# KiCad board q2v2.kicad_pcb (continued)
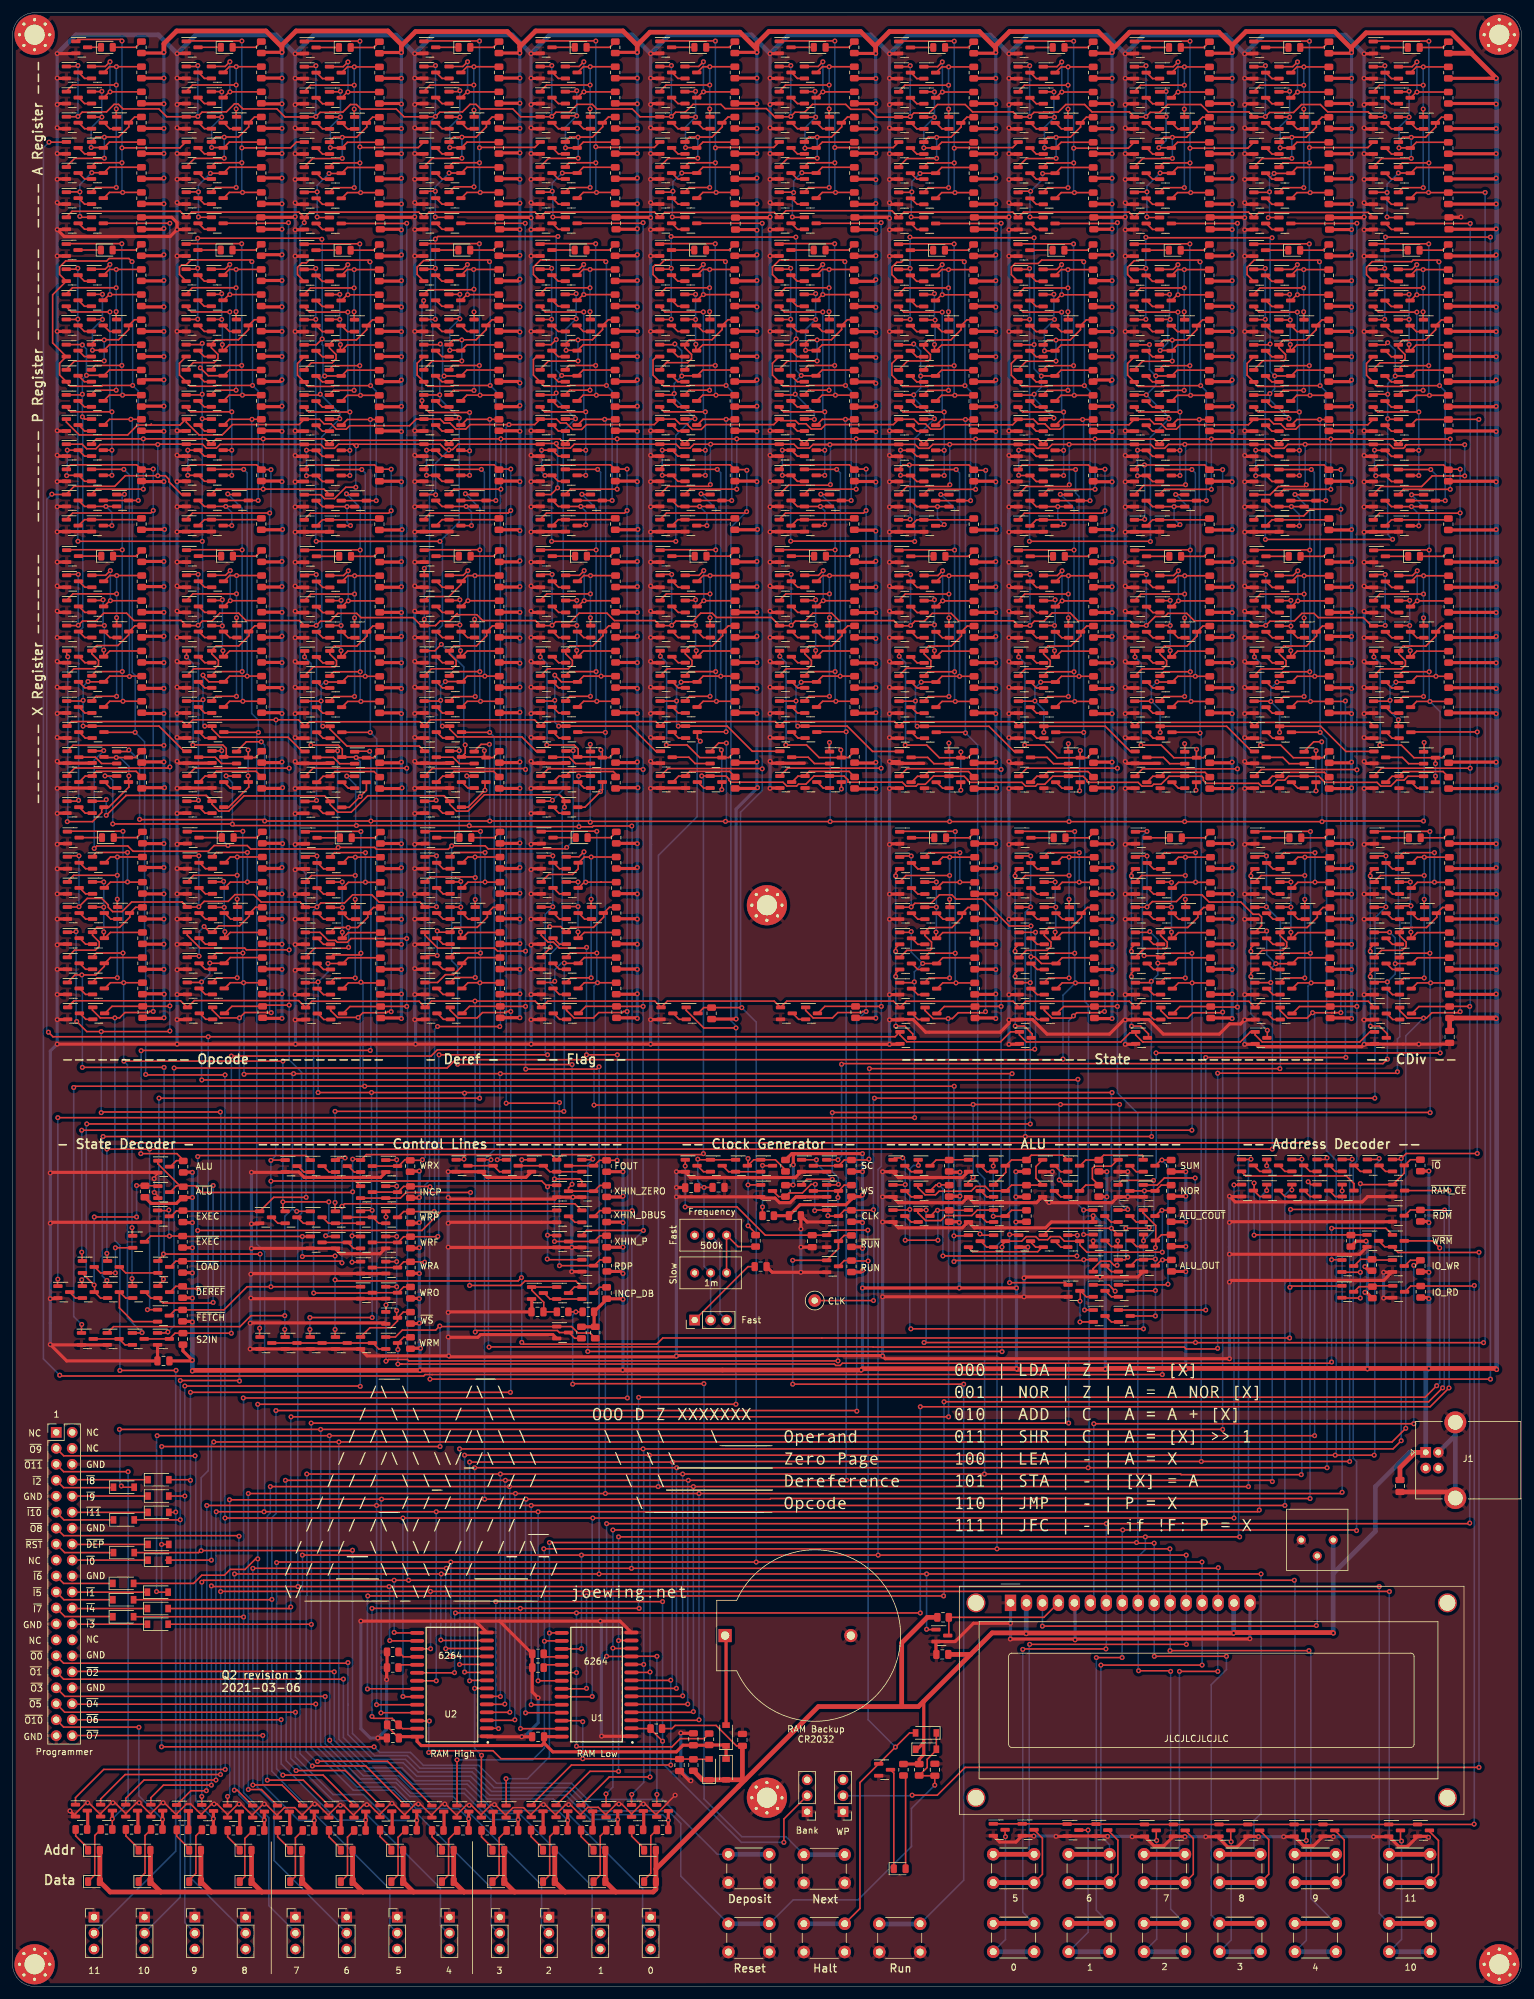
[diagram p0: board, top side]
## Routing (per net, layer and track width the routed paths; a pad name or vN(x,y) marks a point on that pad's centre or on a via; arc(x,y) is an arc through that point)
GND: length 4595.9
  Top w0.25: 22,27.37 v1(20.15,29.23) 19.72,29.23 18,27.5 ; Q880.2 30.09,27.45 31.66,29.03 32.53,29.03 34.19,27.36 ; Q875.2 18,27.51 16.29,29.23 v1(15.95,29.23) 15.72,29.23 14.01,27.52 Q872.2 ; 90.41,27.22 88.71,28.93 v1(88.45,28.93) 87.97,28.93 86.45,27.4 Q882.2 ; 34.19,27.36 Q883.2 ; 34.19,27.36 35.86,29.03 v1(36.05,29.03) 36.34,29.03 38.19,27.17 ; Q870.2 62.44,27.4 64.06,29.03 v1(64.55,29.03) 64.85,29.03 66.7,27.17 ; 46.15,27.35 46.15,26.88 ; 30.09,27.27 28.34,29.03 27.66,29.03 26.09,27.45 Q879.2 ; 54.31,27.17 52.66,28.83 v1(52.15,28.83) 51.78,28.83 50.31,27.35 Q891.2 ; 86.45,27.22 84.75,28.93 v1(84.45,28.93) 84.03,28.93 82.51,27.4 Q881.2 ; 38.19,27.35 39.86,29.03 v1(40.05,29.03) 40.27,29.03 42.14,27.15 ; Q90.2 23.11,125.76 v1(22.55,126.33) ; Q889.2 98.46,27.46 96.9,29.03 v1(96.45,29.03) 96.03,29.03 94.41,27.4 Q886.2 ; 58.44,27.22 56.74,28.93 v1(56.35,28.93) 55.88,28.93 54.31,27.35 Q892.2 ; Q884.2 38.19,27.36 ; 50.31,27.17 48.46,29.03 v1(48.05,29.03) 47.81,29.03 46.14,27.35 Q888.2 ; 70.7,27.17 68.85,29.03 v1(68.75,29.03) 68.37,29.03 66.7,27.35 Q873.2 ; Q876.2 22,27.5 23.72,29.23 v1(23.95,29.23) 24.14,29.23 26.09,27.27 ; 14.01,27.33 12.11,29.23 v1(11.95,29.23) 11.73,29.23 10.01,27.51 Q871.2 ; v1(22.53,128.53) 22.53,128.74 23.26,129.48 ; 82.51,27.22 81.28,28.45 79.6,28.45 78.51,27.36 Q878.2 ; 42.14,27.36 Q887.2 ; 78.51,27.18 76.76,28.93 v1(76.65,28.93) 76.14,28.93 74.57,27.35 Q877.2 ; Q890.2 102.46,27.45 104.23,29.23 104.23,29.26 v1(105.4,30.43) ; 46.14,27.17 44.87,28.45 43.23,28.45 42.06,27.27 42.06,26.95 ; Q874.2 70.7,27.35 72.17,28.83 v1(72.65,28.83) 72.98,28.83 74.57,27.23 ; 94.41,27.26 93.18,28.5 91.5,28.5 90.41,27.4 Q885.2 ; 102.46,27.21 100.65,29.03 100.03,29.03 98.46,27.45 ; 62.44,27.22 60.54,29.13 v1(60.35,29.13) 60.16,29.13 58.44,27.4 Q869.2
  Top w0.5: v1(26.17,307.53) 27.52,307.53 ; v1(26.17,279.53) 27.52,279.53 ; v1(26.17,279.53) 25.07,278.43 8.2,278.43 v1(7.1,279.53) 8.45,279.53 ; v1(26.17,279.53) 26.17,280.63 25.33,281.48 C6.2 ; 27.57,283.58 26.42,283.58 v1(26.17,283.83) ; v1(26.17,287.53) 26.22,287.58 27.57,287.58 ; v1(26.17,291.63) 26.22,291.58 27.57,291.58 ; v1(26.17,295.73) 26.32,295.58 27.57,295.58 ; 27.57,299.58 26.32,299.58 v1(26.17,299.43) ; v1(26.17,303.63) 26.22,303.58 27.57,303.58 ; v1(26.17,153.83) 27.72,153.83 ; 31.67,190.68 26.22,190.68 v1(26.17,190.63) ; 27.67,186.68 26.22,186.68 v1(26.17,186.63) ; v1(26.17,194.93) 26.47,194.63 31.62,194.63 ; v1(26.17,198.73) 26.27,198.63 27.67,198.63 ; v1(26.17,202.53) 26.26,202.62 27.62,202.62 ; v1(26.17,206.73) 26.28,206.62 27.62,206.62 ; 27.62,210.62 26.38,210.62 v1(26.17,210.83) ; 27.62,214.62 26.18,214.62 v1(26.17,214.63) ; v1(26.17,218.83) 26.38,218.62 27.62,218.62 ; v1(26.17,222.83) 26.38,222.62 27.62,222.62 ; v1(26.17,226.63) 26.18,226.62 27.62,226.62 ; v1(26.17,231.43) 26.22,231.48 31.57,231.48 ; v1(26.17,235.43) 26.22,235.48 27.57,235.48 ; 27.57,239.48 26.22,239.48 v1(26.17,239.43) ; v1(26.17,243.63) 26.32,243.48 27.57,243.48 ; 27.57,247.48 26.22,247.48 v1(26.17,247.53) ; v1(26.17,263.33) 26.17,263.32 27.55,263.32 ; v1(26.17,275.33) 26.17,275.32 27.55,275.32 ; v1(26.17,181.73) 26.28,181.84 27.73,181.84 ; v1(26.17,173.83) 26.18,173.84 27.73,173.84 ; v1(26.17,169.83) 26.18,169.84 27.73,169.84 ; v1(26.17,157.83) 26.18,157.84 27.73,157.84 ; v1(82.47,307.52) 83.82,307.52 ; v1(82.47,279.52) 83.82,279.52 ; 83.88,283.57 82.72,283.57 v1(82.47,283.82) ; v1(82.47,287.52) 82.53,287.57 83.88,287.57 ; v1(82.47,291.62) 82.53,291.57 83.88,291.57 ; v1(82.47,295.72) 82.62,295.57 83.88,295.57 ; 83.88,299.57 82.62,299.57 v1(82.47,299.42) ; v1(82.47,303.62) 82.53,303.57 83.88,303.57 ; v1(82.47,153.82) 84.03,153.82 ; 87.98,190.67 82.53,190.67 v1(82.47,190.62) ; 83.98,186.67 82.53,186.67 v1(82.47,186.62) ; v1(82.47,194.92) 82.78,194.62 87.93,194.62 ; v1(82.47,198.72) 82.57,198.62 83.97,198.62 ; v1(82.47,202.52) 82.56,202.61 83.93,202.61 ; v1(82.47,206.72) 82.59,206.61 83.93,206.61 ; 83.93,210.61 82.69,210.61 v1(82.47,210.82) ; 83.93,214.61 82.49,214.61 v1(82.47,214.62) ; v1(82.47,218.82) 82.69,218.61 83.93,218.61 ; v1(82.47,222.82) 82.69,222.61 83.93,222.61 ; v1(82.47,226.62) 82.49,226.61 83.93,226.61 ; v1(82.47,231.42) 82.53,231.47 87.88,231.47 ; v1(82.47,235.42) 82.53,235.47 83.88,235.47 ; 83.88,239.47 82.53,239.47 v1(82.47,239.42) ; v1(82.47,243.62) 82.62,243.47 83.88,243.47 ; 83.88,247.47 82.53,247.47 v1(82.47,247.52) ; v1(82.47,263.32) 82.48,263.32 83.85,263.32 ; v1(82.47,275.32) 82.48,275.32 83.85,275.32 ; v1(82.47,181.72) 82.59,181.83 84.04,181.83 ; v1(82.47,173.82) 82.49,173.83 84.04,173.83 ; v1(82.47,169.82) 82.49,169.83 84.04,169.83 ; v1(82.47,157.82) 82.49,157.83 84.04,157.83 ; v1(63.97,307.52) 65.33,307.52 ; v1(63.97,279.52) 65.33,279.52 ; 65.38,283.57 64.22,283.57 v1(63.97,283.82) ; v1(63.97,287.52) 64.03,287.57 65.38,287.57 ; v1(63.97,291.62) 64.03,291.57 65.38,291.57 ; v1(63.97,295.72) 64.12,295.57 65.38,295.57 ; 65.38,299.57 64.12,299.57 v1(63.97,299.42) ; v1(63.97,303.62) 64.03,303.57 65.38,303.57 ; v1(63.97,153.82) 65.53,153.82 ; 69.48,190.67 64.03,190.67 v1(63.97,190.62) ; 65.48,186.67 64.03,186.67 v1(63.97,186.62) ; v1(63.97,194.92) 64.28,194.62 69.42,194.62 ; v1(63.97,198.72) 64.08,198.62 65.47,198.62 ; v1(63.97,202.52) 64.06,202.61 65.42,202.61 ; v1(63.97,206.72) 64.08,206.61 65.42,206.61 ; 65.42,210.61 64.19,210.61 v1(63.97,210.82) ; 65.42,214.61 63.98,214.61 v1(63.97,214.62) ; v1(63.97,218.82) 64.19,218.61 65.42,218.61 ; v1(63.97,222.82) 64.19,222.61 65.42,222.61 ; v1(63.97,226.62) 63.98,226.61 65.42,226.61 ; v1(63.97,231.42) 64.03,231.47 69.38,231.47 ; v1(63.97,235.42) 64.03,235.47 65.38,235.47 ; 65.38,239.47 64.03,239.47 v1(63.97,239.42) ; v1(63.97,243.62) 64.12,243.47 65.38,243.47 ; 65.38,247.47 64.03,247.47 v1(63.97,247.52) ; v1(63.97,263.32) 63.98,263.32 65.36,263.32 ; v1(63.97,275.32) 63.98,275.32 65.36,275.32 ; v1(63.97,181.72) 64.08,181.83 65.54,181.83 ; v1(63.97,173.82) 63.98,173.83 65.54,173.83 ; v1(63.97,169.82) 63.98,169.83 65.54,169.83 ; v1(63.97,157.82) 63.98,157.83 65.54,157.83 ; v1(44.95,307.5) 46.3,307.5 ; v1(44.95,279.5) 46.3,279.5 ; 46.35,283.55 45.2,283.55 v1(44.95,283.8) ; v1(44.95,287.5) 45,287.55 46.35,287.55 ; v1(44.95,291.6) 45,291.55 46.35,291.55 ; v1(44.95,295.7) 45.1,295.55 46.35,295.55 ; 46.35,299.55 45.1,299.55 v1(44.95,299.4) ; v1(44.95,303.6) 45,303.55 46.35,303.55 ; v1(44.95,153.8) 46.5,153.8 ; 50.45,190.65 45,190.65 v1(44.95,190.6) ; 46.45,186.65 45,186.65 v1(44.95,186.6) ; v1(44.95,194.9) 45.25,194.6 50.4,194.6 ; v1(44.95,198.7) 45.05,198.6 46.45,198.6 ; v1(44.95,202.5) 45.04,202.59 46.4,202.59 ; v1(44.95,206.7) 45.06,206.59 46.4,206.59 ; 46.4,210.59 45.16,210.59 v1(44.95,210.8) ; 46.4,214.59 44.96,214.59 v1(44.95,214.6) ; v1(44.95,218.8) 45.16,218.59 46.4,218.59 ; v1(44.95,222.8) 45.16,222.59 46.4,222.59 ; v1(44.95,226.6) 44.96,226.59 46.4,226.59 ; v1(44.95,231.4) 45,231.45 50.35,231.45 ; v1(44.95,235.4) 45,235.45 46.35,235.45 ; 46.35,239.45 45,239.45 v1(44.95,239.4) ; v1(44.95,243.6) 45.1,243.45 46.35,243.45 ; 46.35,247.45 45,247.45 v1(44.95,247.5) ; v1(44.95,263.3) 44.95,263.29 46.33,263.29 ; v1(44.95,275.3) 44.95,275.29 46.33,275.29 ; v1(44.95,181.7) 45.06,181.81 46.51,181.81 ; v1(44.95,173.8) 44.96,173.81 46.51,173.81 ; v1(44.95,169.8) 44.96,169.81 46.51,169.81 ; v1(44.95,157.8) 44.96,157.81 46.51,157.81 ; 216.4,287.55 215.05,287.55 v1(215,287.5) ; 216.4,239.45 215.05,239.45 v1(215,239.4) ; 216.5,190.65 215.05,190.65 v1(215,190.6) ; v1(215,169.8) 215.01,169.81 216.56,169.81 ; 216.56,173.81 215.01,173.81 v1(215,173.8) ; v1(215,263.3) 215,263.29 216.38,263.29 ; v1(215,247.5) 215.05,247.45 216.4,247.45 ; v1(215,226.6) 215.01,226.59 216.45,226.59 ; 216.45,206.59 215.11,206.59 v1(215,206.7) ; 216.45,214.59 215.01,214.59 v1(215,214.6) ; 216.5,194.6 215.3,194.6 v1(215,194.9) ; v1(215,279.5) 216.35,279.5 ; 197.56,181.81 196.11,181.81 v1(196,181.7) ; 197.38,275.29 196,275.29 v1(196,275.3) ; v1(196,239.4) 196.05,239.45 197.4,239.45 ; 197.4,243.45 196.15,243.45 v1(196,243.6) ; 197.4,235.45 196.05,235.45 v1(196,235.4) ; v1(196,231.4) 196.05,231.45 201.4,231.45 ; v1(196,218.8) 196.21,218.59 197.45,218.59 ; v1(196,198.7) 196.1,198.6 197.5,198.6 ; v1(196,190.6) 196.05,190.65 197.5,190.65 ; 197.55,153.8 v1(196,153.8) 195.35,153.15 193.59,153.15 191.97,151.53 183.06,151.53 180.74,153.85 Q597.2 ; v1(196,299.4) 196.15,299.55 197.4,299.55 ; v1(196,303.6) 196.05,303.55 197.4,303.55 ; v1(196,295.7) 196.15,295.55 197.4,295.55 ; 197.4,291.55 196.05,291.55 v1(196,291.6) ; 197.4,287.55 196.05,287.55 v1(196,287.5) ; v1(120.5,275.32) 120.5,275.32 121.88,275.32 ; v1(120.5,263.32) 120.5,263.32 121.88,263.32 ; v1(120.5,231.42) 120.55,231.47 125.9,231.47 ; 121.95,222.61 120.71,222.61 v1(120.5,222.82) ; v1(120.5,218.82) 120.71,218.61 121.95,218.61 ; v1(101.5,243.62) 101.65,243.47 102.9,243.47 ; v1(101.5,226.62) 101.51,226.61 102.95,226.61 ; 102.95,206.61 101.61,206.61 v1(101.5,206.72) ; 102.95,202.61 101.59,202.61 v1(101.5,202.52) ; v1(101.5,198.72) 101.6,198.62 103,198.62 ; 103,194.62 101.8,194.62 v1(101.5,194.92) ; v1(101.5,299.42) 101.65,299.57 102.9,299.57 ; 102.9,291.57 101.55,291.57 v1(101.5,291.62) ; 102.9,295.57 101.65,295.57 v1(101.5,295.72) ; v1(101.5,283.82) 101.75,283.57 102.9,283.57 ; 141.06,157.81 139.51,157.81 v1(139.5,157.8) ; 141.06,169.81 139.51,169.81 v1(139.5,169.8) ; v1(139.5,243.6) 139.65,243.45 140.9,243.45 ; v1(139.5,239.4) 139.55,239.45 140.9,239.45 ; v1(139.5,231.4) 139.55,231.45 145.33,231.45 ; v1(139.5,222.8) 139.71,222.59 140.95,222.59 ; 140.9,235.45 139.55,235.45 v1(139.5,235.4) ; v1(139.5,214.6) 139.51,214.59 140.95,214.59 ; 140.95,206.59 139.61,206.59 v1(139.5,206.7) ; v1(139.5,190.6) 139.55,190.65 141,190.65 ; v1(139.5,153.8) 141.05,153.8 ; 140.9,295.55 139.65,295.55 v1(139.5,295.7) ; v1(139.5,303.6) 139.55,303.55 140.9,303.55 ; 140.9,291.55 139.55,291.55 v1(139.5,291.6) ; v1(120.5,190.62) 120.55,190.67 122,190.67 ; v1(120.5,194.92) 120.8,194.62 125.95,194.62 ; 121.9,303.57 120.55,303.57 v1(120.5,303.62) ; 121.9,299.57 120.65,299.57 v1(120.5,299.42) ; v1(177,149.9) 178.65,149.9 ; v1(177,157.8) 177.01,157.81 178.56,157.81 ; 178.56,181.81 177.11,181.81 v1(177,181.7) ; v1(177,173.8) 177.01,173.81 178.56,173.81 ; 178.38,263.29 177,263.29 v1(177,263.3) ; v1(177,243.6) 177.15,243.45 178.4,243.45 ; v1(177,239.4) 177.05,239.45 178.4,239.45 ; 178.4,235.45 177.05,235.45 v1(177,235.4) ; v1(177,226.6) 177.01,226.59 178.45,226.59 ; 178.45,206.59 177.11,206.59 v1(177,206.7) ; v1(177,295.7) 177.15,295.55 178.4,295.55 ; 178.4,291.55 177.05,291.55 v1(177,291.6) ; v1(177,283.8) 177.25,283.55 178.4,283.55 ; v1(177,287.5) 177.05,287.55 178.4,287.55 ; v1(177,279.5) 178.35,279.5 ; v1(177,307.5) 178.35,307.5 ; v1(158.5,149.9) 160.15,149.9 ; 160.06,169.81 158.51,169.81 v1(158.5,169.8) ; 160.06,173.81 158.51,173.81 v1(158.5,173.8) ; v1(158.5,181.7) 158.61,181.81 160.06,181.81 ; v1(158.5,243.6) 158.65,243.45 159.9,243.45 ; v1(158.5,210.8) 158.71,210.59 159.95,210.59 ; 159.95,202.59 158.59,202.59 v1(158.5,202.5) ; 159.95,206.59 158.61,206.59 v1(158.5,206.7) ; v1(158.5,198.7) 158.6,198.6 160,198.6 ; v1(158.5,303.6) 158.55,303.55 159.9,303.55 ; v1(158.5,299.4) 158.65,299.55 159.9,299.55 ; 159.9,291.55 158.55,291.55 v1(158.5,291.6) ; 159.9,287.55 158.55,287.55 v1(158.5,287.5) ; v1(158.5,279.5) 159.85,279.5 ; v1(158.5,307.5) 159.85,307.5 ; v1(158.5,157.8) 158.51,157.81 160.06,157.81 ; v1(158.5,247.5) 158.55,247.45 159.9,247.45 ; 159.88,263.29 158.5,263.29 v1(158.5,263.3) ; 159.9,239.45 158.55,239.45 v1(158.5,239.4) ; v1(158.5,231.4) 158.55,231.45 163.9,231.45 ; 159.95,226.59 158.51,226.59 v1(158.5,226.6) ; 159.95,218.59 158.71,218.59 v1(158.5,218.8) ; v1(158.5,214.6) 158.51,214.59 159.95,214.59 ; 160.05,153.8 v1(158.5,153.8) 158.5,153.23 157.1,151.83 145.26,151.83 143.24,153.85 Q225.2 ; 159.9,295.55 158.65,295.55 v1(158.5,295.7) ; 178.56,169.81 177.01,169.81 v1(177,169.8) ; 178.38,275.29 177,275.29 v1(177,275.3) ; 178.4,247.45 177.05,247.45 v1(177,247.5) ; v1(177,222.8) 177.21,222.59 178.45,222.59 ; 178.45,218.59 177.21,218.59 v1(177,218.8) ; v1(177,210.8) 177.21,210.59 178.45,210.59 ; v1(177,202.5) 177.09,202.59 178.45,202.59 ; 178.5,190.65 177.05,190.65 v1(177,190.6) ; v1(177,303.6) 177.05,303.55 178.4,303.55 ; v1(177,299.4) 177.15,299.55 178.4,299.55 ; v1(139.5,181.7) 139.61,181.81 141.06,181.81 ; 140.95,226.59 139.51,226.59 v1(139.5,226.6) ; 140.95,218.59 139.71,218.59 v1(139.5,218.8) ; 144.95,194.6 139.8,194.6 v1(139.5,194.9) 141.06,194.9 ; 140.9,299.55 139.65,299.55 v1(139.5,299.4) ; 140.9,287.55 139.55,287.55 v1(139.5,287.5) ; 140.9,283.55 139.75,283.55 v1(139.5,283.8) ; v1(139.5,279.5) 140.85,279.5 ; v1(139.5,307.5) 140.85,307.5 ; v1(101.5,231.42) 101.55,231.47 106.9,231.47 ; v1(101.5,214.62) 101.51,214.61 102.95,214.61 ; v1(101.5,190.62) 101.55,190.67 107,190.67 ; 102.9,287.57 101.55,287.57 v1(101.5,287.52) ; v1(101.5,279.52) 102.85,279.52 ; v1(101.5,307.52) 102.85,307.52 ; v1(120.5,247.52) 120.55,247.47 121.9,247.47 ; v1(120.5,243.62) 120.65,243.47 121.9,243.47 ; 121.9,235.47 120.55,235.47 v1(120.5,235.42) ; v1(120.5,202.52) 120.59,202.61 121.95,202.61 ; v1(120.5,206.72) 120.61,206.61 121.95,206.61 ; 122,198.62 120.6,198.62 v1(120.5,198.72) ; v1(120.5,287.52) 120.55,287.57 121.9,287.57 ; v1(120.5,283.82) 120.75,283.57 121.9,283.57 ; v1(120.5,279.52) 121.85,279.52 ; v1(120.5,307.52) 121.85,307.52 ; 102.88,275.32 101.5,275.32 v1(101.5,275.32) ; 102.88,263.32 101.5,263.32 v1(101.5,263.32) ; v1(101.5,247.52) 101.55,247.47 102.9,247.47 ; 102.9,239.47 101.55,239.47 v1(101.5,239.42) ; v1(101.5,235.42) 101.55,235.47 102.9,235.47 ; v1(196,263.3) 196,263.29 197.38,263.29 ; v1(196,247.5) 196.05,247.45 197.4,247.45 ; v1(196,214.6) 196.01,214.59 197.45,214.59 ; 197.45,210.59 196.21,210.59 v1(196,210.8) ; 197.45,202.59 196.09,202.59 v1(196,202.5) ; 197.5,194.6 196.3,194.6 v1(196,194.9) ; v1(196,283.8) 196.25,283.55 197.4,283.55 ; v1(215,295.7) 215.15,295.55 216.4,295.55 ; v1(215,198.7) 215.1,198.6 216.5,198.6 ; 216.4,235.45 215.05,235.45 v1(215,235.4) ; 216.38,275.29 215,275.29 v1(215,275.3) ; v1(120.5,239.42) 120.55,239.47 121.9,239.47 ; 121.9,295.57 120.65,295.57 v1(120.5,295.72) ; v1(120.5,210.82) 120.71,210.61 121.95,210.61 ; v1(120.5,214.62) 120.51,214.61 121.95,214.61 ; v1(120.5,226.62) 120.51,226.61 121.95,226.61 ; v1(196,149.9) 197.65,149.9 ; 197.56,157.81 196.01,157.81 v1(196,157.8) ; 197.56,169.81 196.01,169.81 v1(196,169.8) ; 197.56,173.81 196.01,173.81 v1(196,173.8) ; 197.45,206.59 196.11,206.59 v1(196,206.7) ; v1(196,279.5) 197.35,279.5 ; v1(196,307.5) 197.35,307.5 ; 197.45,226.59 196.01,226.59 v1(196,226.6) ; v1(196,222.8) 196.21,222.59 197.45,222.59 ; 159.9,283.55 158.75,283.55 v1(158.5,283.8) ; v1(215,303.6) 215.05,303.55 216.4,303.55 ; v1(215,283.8) 215.25,283.55 216.4,283.55 ; v1(215,157.8) 215.01,157.81 216.56,157.81 ; v1(215,218.8) 215.21,218.59 216.45,218.59 ; 216.45,202.59 215.09,202.59 v1(215,202.5) ; v1(215,307.5) 216.35,307.5 ; 216.4,291.55 215.05,291.55 v1(215,291.6) ; v1(139.5,247.5) 139.55,247.45 140.9,247.45 ; 102.95,222.61 101.71,222.61 v1(101.5,222.82) ; 102.95,210.61 101.71,210.61 v1(101.5,210.82) ; v1(101.5,153.82) 103.05,153.82 ; v1(101.5,303.62) 101.55,303.57 102.9,303.57 ; 141.15,149.9 v1(139.5,149.9) 101.53,149.9 v1(101.5,149.93) v1(82.5,149.93) v1(26.17,149.93) v1(7.1,149.93) ; v1(139.5,173.8) 139.51,173.81 141.06,173.81 ; v1(158.5,235.4) 158.55,235.45 159.9,235.45 ; 159.88,275.29 158.5,275.29 v1(158.5,275.3) ; v1(158.5,194.9) 158.8,194.6 160,194.6 ; 160,190.65 158.55,190.65 v1(158.5,190.6) ; v1(177,231.4) 177.05,231.45 182.4,231.45 ; 182.45,194.6 177.3,194.6 v1(177,194.9) ; 178.5,198.6 177.1,198.6 v1(177,198.7) ; 140.88,275.29 139.5,275.29 v1(139.5,275.3) ; 159.95,222.59 158.71,222.59 v1(158.5,222.8) ; 216.4,243.45 215.15,243.45 v1(215,243.6) ; v1(215,181.7) 215.11,181.81 216.56,181.81 ; v1(215,210.8) 215.21,210.59 216.45,210.59 ; v1(215,149.9) 216.65,149.9 ; v1(215,149.9) 215.03,149.93 228.4,149.93 ; v1(215,149.9) 214.63,149.53 198.18,149.53 197.76,149.95 ; v1(215,231.4) 215.05,231.45 220.4,231.45 ; 216.4,299.55 215.15,299.55 v1(215,299.4) ; 216.55,153.8 v1(215,153.8) 214.77,153.8 ; 216.45,222.59 215.21,222.59 v1(215,222.8) ; v1(177,214.6) 177.01,214.59 178.45,214.59 ; 178.55,153.8 v1(177,153.8) 176.77,153.8 174.5,151.53 164.56,151.53 162.24,153.85 Q398.2 ; v1(101.5,218.82) 101.71,218.61 102.95,218.61 ; v1(139.5,210.8) 139.71,210.59 140.95,210.59 ; v1(139.5,263.3) 139.5,263.29 140.88,263.29 ; 140.95,202.59 139.59,202.59 v1(139.5,202.5) ; v1(139.5,198.7) 139.6,198.6 141,198.6 ; 121.9,291.57 120.55,291.57 v1(120.5,291.62) ; v1(7.1,231.43) 7.15,231.48 12.5,231.48 ; v1(7.1,202.53) 7.19,202.62 8.55,202.62 ; C28.2 120.4,281.43 v1(120.5,281.53) ; v1(26.17,165.79) 26.21,165.84 Q223.2 ; 82.6,107.33 82.6,109.33 ; Q81.2 7.21,165.84 v1(7.1,165.73) ; v1(69.3,129.63) 74.5,129.63 ; 23.15,129.53 6.1,129.53 v1(6,129.43) ; 8.55,206.62 7.21,206.62 v1(7.1,206.73) ; v1(7.1,153.83) 8.65,153.83 ; v1(171.9,122.63) 171.86,122.59 Q505.2 165.25,121.63 164.32,120.7 152.99,120.7 Q477.2 ; v1(218.1,109.53) 218.15,109.58 219.5,109.58 ; v1(125.4,117.63) C24.1 ; 179.85,113.73 179,112.88 161.05,112.88 v1(160.9,112.73) ; 8.5,299.58 7.25,299.58 v1(7.1,299.43) ; v1(101.5,281.43) 101.45,281.48 C22.2 ; Q589.2 64.09,161.83 v1(63.97,161.95) ; v1(7.1,243.63) 7.25,243.48 8.5,243.48 ; v1(63.97,165.75) 64.06,165.83 Q595.2 ; 8.66,157.84 7.11,157.84 v1(7.1,157.83) ; 69.35,103.28 74.01,103.28 74.45,103.72 85.93,103.72 Q855.2 ; v1(7.1,186.63) 7.15,186.68 8.6,186.68 ; v1(162.45,23.93) 162.4,23.98 Q863.2 159.61,22.98 157.01,22.98 Q868.2 ; v1(69.3,107.23) 69.4,107.33 C7.1 ; Q217.2 26.25,161.84 v1(26.17,161.76) ; 12.55,194.63 7.4,194.63 v1(7.1,194.93) ; v1(44.95,177.68) 45.08,177.81 Q391.2 ; Q99.2 86.26,125.28 69.55,125.28 v1(69.3,125.53) 69.35,125.58 ; v1(193.57,99.88) 138.82,99.88 v1(138.4,100.3) 138.32,100.38 105.68,100.38 v1(105.6,100.3) 105.47,100.18 69.53,100.18 v1(69.38,100.33) 56.4,100.33 55.3,101.43 39.3,101.43 ; v1(38,129.53) 43.35,129.53 ; 43.4,129.58 45.54,129.58 46.39,128.73 58.55,128.73 59.4,129.58 ; 84.69,153.87 Q696.2 ; v1(6,102.13) 8.6,99.53 C1.2 ; Q511.2 171.91,118.61 v1(171.9,118.63) ; Q590.2 64,177.83 v1(63.97,177.85) ; v1(138.4,129.63) 140,129.63 140.93,128.7 151.07,128.7 152,129.63 ; v1(59.5,48.83) 59.5,50.66 ; Q138.2 v1(37.8,101.43) ; v1(202.2,23.83) 203.81,23.83 ; Q75.2 7.11,161.84 v1(7.1,161.83) ; 59.3,105.43 59.15,105.58 37.85,105.58 v1(37.8,105.53) ; U1.14 96.63,58.13 v1(93.5,58.13) 77.47,58.13 ; 219.45,113.68 218.1,112.33 193.85,112.33 v1(193.57,112.05) ; 59.3,109.43 38,109.43 v1(37.9,109.53) ; Q694.2 193.62,125.68 ; Q218.2 26.19,177.84 v1(26.17,177.86) ; 8.55,226.62 7.11,226.62 v1(7.1,226.63) ; U1.1 93.72,39.8 v1(93.7,39.83) ; 8.55,222.62 7.31,222.62 v1(7.1,222.83) ; v1(230.4,281.53) 230.35,281.48 C26.2 ; Q867.2 Q862.2 174.14,23.93 v1(174.19,23.88) ; 8.66,181.84 7.21,181.84 v1(7.1,181.73) ; 90.5,125.58 v1(89.15,125.58) 86.5,125.58 ; 129.45,125.63 124.61,125.63 123.69,124.7 122.01,124.7 121.29,125.43 119.15,125.43 118.95,125.63 v1(105.6,125.63) ; 179.8,125.63 175.8,125.63 174.87,124.7 164.73,124.7 163.8,125.63 162.87,124.7 152.93,124.7 152,125.63 151.07,124.7 140.93,124.7 140,125.63 v1(138.4,125.63) ; 8.55,214.62 7.11,214.62 v1(7.1,214.63) ; v1(82.47,165.7) 82.6,165.83 Q775.2 ; v1(139.5,281.33) 139.35,281.48 C27.2 ; v1(82.47,281.4) 82.4,281.48 C16.2 ; C18.1 v1(81,39.73) 75.53,39.73 U2.1 ; v1(7.1,275.33) 7.1,275.32 8.48,275.32 ; U2.14 73.64,58.13 ; 73.64,58.13 77.47,58.13 ; 73.64,58.13 v1(55.4,58.13) ; v1(7.1,198.73) 7.2,198.63 8.6,198.63 ; Q864.2 205.36,22.38 206.96,22.38 Q859.2 210.05,23.88 v1(210.1,23.83) ; v1(69.3,117.63) 69.35,117.58 v1(88.95,117.58) 90.5,117.58 ; v1(7.1,295.73) 7.25,295.58 8.5,295.58 ; C17.2 195.95,281.48 v1(196,281.43) ; v1(6,121.43) 6.15,121.58 22.9,121.58 ; 129.45,121.63 126.4,121.63 C10.1 v1(125.4,120.53) ; C15.2 176.95,281.48 v1(177,281.53) ; Q94.2 23.06,99.54 ; v1(138.4,121.63) 140,121.63 140.93,120.7 151.07,120.7 152,121.63 ; 12.6,190.68 7.15,190.68 v1(7.1,190.63) ; 146.89,52.89 Q856.2 149.95,54.88 152.85,57.78 v1(158.75,57.78) ; v1(138.4,109.73) v1(160.9,109.73) 167.85,109.73 ; 8.5,287.58 7.15,287.58 v1(7.1,287.53) ; 8.66,169.84 7.11,169.84 v1(7.1,169.83) ; v1(38,117.43) 51.3,117.43 52.15,116.58 58.45,116.58 59.3,117.43 ; C8.2 44.85,281.48 v1(44.95,281.58) ; Q871.2 9.12,27.91 v1(9.12,27.93) ; Q131.2 81.66,128.73 75.46,128.73 Q136.2 ; v1(193.57,121.55) 193.7,121.68 219.45,121.68 ; v1(158.72,55.28) 168.9,55.28 v1(169.02,55.15) 169.15,55.28 196.77,55.28 v1(196.82,55.33) ; Q865.2 191.91,23.58 193.31,22.18 194.81,22.18 Q860.2 198.15,23.88 v1(198.2,23.83) ; 86.5,121.58 69.45,121.58 v1(69.3,121.43) ; 8.55,210.62 7.31,210.62 v1(7.1,210.83) ; v1(7.1,247.53) 7.15,247.48 8.5,247.48 ; v1(7.1,263.33) 7.1,263.32 8.48,263.32 ; Q486.2 v1(165.4,129.63) ; v1(82.47,177.7) 82.6,177.83 Q770.2 ; v1(44.95,165.78) 44.98,165.81 Q396.2 ; v1(69.3,103.33) 69.45,103.18 ; v1(105.6,129.63) 106.95,129.63 107.88,128.7 124.52,128.7 125.45,129.63 129.45,129.63 ; 59.3,113.43 38,113.43 v1(37.9,113.33) ; v1(218.1,113.63) 219.4,113.63 ; Q769.2 82.5,161.83 v1(82.47,161.85) ; C19.1 v1(58.1,39.53) ; v1(7.1,291.63) 7.15,291.58 8.5,291.58 ; v1(225.25,23.73) 225.1,23.88 Q857.2 221.91,22.28 220.51,22.28 Q858.2 ; 77.47,58.13 R294.2 R296.2 82.67,46.86 v1(83.6,45.93) ; C20.2 106.35,40.28 v1(106.3,40.33) ; 8.55,218.62 7.31,218.62 v1(7.1,218.83) ; Q96.2 Q95.2 6.05,102.08 ; R297.2 R295.2 ; v1(189.8,23.83) 191.86,23.83 ; v1(193.57,116.5) 214.29,116.5 Q687.2 ; v1(165.99,23.88) 167.7,23.88 ; v1(7.1,303.63) 7.15,303.58 8.5,303.58 ; 8.5,283.58 7.35,283.58 v1(7.1,283.83) ; 8.66,173.84 7.11,173.84 v1(7.1,173.83) ; v1(63.97,281.55) 63.9,281.48 C14.2 ; C11.1 120.85,113.63 v1(125.4,113.63) Q314.2 ; C21.1 107.65,32.73 v1(107.9,32.73) ; v1(158.5,281.53) 158.45,281.48 C9.2 ; Q866.2 181.56,22.38 183.16,22.38 Q861.2 186.45,23.88 v1(186.5,23.83) ; 8.5,239.48 7.15,239.48 v1(7.1,239.43) ; v1(7.1,177.83) 7.11,177.84 Q76.2 ; v1(7.1,307.53) 10.01,307.53 ; v1(6,109.43) 7.05,109.43 ; v1(38,121.33) 39.15,121.33 ; v1(88.95,113.73) 90.62,113.73 ; v1(105.6,127.13) 106.95,127.13 ; C23.2 214.9,281.43 v1(215,281.53) ; v1(7.1,235.43) 7.15,235.48 8.5,235.48 ; v1(161.5,117.63) Q510.2 ; Q684.2 215.56,125.68 214.71,124.83 194.48,124.83 v1(193.57,125.73) ; v1(177.4,129.63) Q491.2 ; Q390.2 45.08,161.81 v1(44.95,161.68) ; v1(216.5,23.83) 218.86,23.83 ; 82.38,39.8 82.65,39.53 ; v1(178.1,23.83) 180.01,23.83
  Top w0.75: C3.2 228.54,78.68
  Bottom w0.25: v1(22.55,126.33) 22.55,128.5 v1(22.53,128.53)
  Bottom w0.5: v1(26.17,307.53) v1(26.17,303.63) v1(26.17,299.43) v1(26.17,295.73) v1(26.17,291.63) v1(26.17,287.53) v1(26.17,283.83) v1(26.17,279.53) v1(26.17,275.33) v1(26.17,263.33) v1(26.17,247.53) v1(26.17,243.63) v1(26.17,239.43) v1(26.17,235.43) v1(26.17,231.43) ; v1(26.17,186.63) v1(26.17,190.63) v1(26.17,194.93) v1(26.17,198.73) v1(26.17,202.53) v1(26.17,206.73) v1(26.17,210.83) v1(26.17,214.63) v1(26.17,218.83) v1(26.17,222.83) v1(26.17,226.63) 26.17,234.43 ; 26.17,189.63 v1(26.17,181.73) v1(26.17,177.86) v1(26.17,173.83) v1(26.17,169.83) v1(26.17,165.79) v1(26.17,161.76) v1(26.17,157.83) v1(26.17,153.83) v1(26.17,149.93) ; v1(82.47,279.52) v1(82.47,283.82) v1(82.47,287.52) v1(82.47,291.62) v1(82.47,295.72) v1(82.47,299.42) v1(82.47,303.62) v1(82.47,307.52) ; v1(82.47,186.62) v1(82.47,190.62) v1(82.47,194.92) v1(82.47,198.72) v1(82.47,202.52) v1(82.47,206.72) v1(82.47,210.82) v1(82.47,214.62) v1(82.47,218.82) v1(82.47,222.82) v1(82.47,226.62) 82.47,234.42 ; v1(82.47,231.42) v1(82.47,235.42) v1(82.47,239.42) v1(82.47,243.62) v1(82.47,247.52) v1(82.47,263.32) v1(82.47,275.32) v1(82.47,281.4) ; 82.47,189.62 v1(82.47,181.72) v1(82.47,177.7) v1(82.47,173.82) v1(82.47,169.82) v1(82.47,165.7) v1(82.47,161.85) v1(82.47,157.82) v1(82.47,153.82) 82.5,153.8 v1(82.5,149.93) ; v1(63.97,307.52) v1(63.97,303.62) v1(63.97,299.42) v1(63.97,295.72) v1(63.97,291.62) v1(63.97,287.52) v1(63.97,283.82) v1(63.97,281.55) v1(63.97,279.52) v1(63.97,275.32) v1(63.97,263.32) v1(63.97,247.52) v1(63.97,243.62) v1(63.97,239.42) v1(63.97,235.42) v1(63.97,231.42) ; v1(63.97,186.62) v1(63.97,190.62) v1(63.97,194.92) v1(63.97,198.72) v1(63.97,202.52) v1(63.97,206.72) v1(63.97,210.82) v1(63.97,214.62) v1(63.97,218.82) v1(63.97,222.82) v1(63.97,226.62) 63.97,234.42 ; 63.97,189.62 v1(63.97,181.72) v1(63.97,177.85) v1(63.97,173.82) v1(63.97,169.82) v1(63.97,165.75) v1(63.97,161.95) v1(63.97,157.82) v1(63.97,153.82) 64.1,153.7 v1(64.1,149.93) ; v1(44.95,307.5) v1(44.95,303.6) v1(44.95,299.4) v1(44.95,295.7) v1(44.95,291.6) v1(44.95,287.5) v1(44.95,283.8) v1(44.95,281.58) v1(44.95,279.5) v1(44.95,275.3) v1(44.95,263.3) v1(44.95,247.5) v1(44.95,243.6) v1(44.95,239.4) v1(44.95,235.4) v1(44.95,231.4) ; v1(44.95,186.6) v1(44.95,190.6) v1(44.95,194.9) v1(44.95,198.7) v1(44.95,202.5) v1(44.95,206.7) v1(44.95,210.8) v1(44.95,214.6) v1(44.95,218.8) v1(44.95,222.8) v1(44.95,226.6) 44.95,234.4 ; 44.95,189.6 v1(44.95,181.7) v1(44.95,177.68) v1(44.95,173.8) v1(44.95,169.8) v1(44.95,165.78) v1(44.95,161.68) v1(44.95,157.8) v1(44.95,153.8) 45,153.75 v1(45,149.93) ; 215,234.4 v1(215,226.6) v1(215,222.8) v1(215,218.8) v1(215,214.6) v1(215,210.8) v1(215,206.7) v1(215,202.5) v1(215,198.7) v1(215,194.9) v1(215,190.6) 215,186.6 ; 196,234.4 v1(196,226.6) v1(196,222.8) v1(196,218.8) v1(196,214.6) v1(196,210.8) v1(196,206.7) v1(196,202.5) v1(196,198.7) v1(196,194.9) v1(196,190.6) 196,186.6 ; v1(177,149.9) v1(177,153.8) v1(177,157.8) v1(177,169.8) v1(177,173.8) v1(177,181.7) 177,189.6 ; 177,234.4 v1(177,226.6) v1(177,222.8) v1(177,218.8) v1(177,214.6) v1(177,210.8) v1(177,206.7) v1(177,202.5) v1(177,198.7) v1(177,194.9) v1(177,190.6) 177,186.6 ; v1(177,307.5) v1(177,303.6) v1(177,299.4) v1(177,295.7) v1(177,291.6) v1(177,287.5) v1(177,283.8) v1(177,281.53) v1(177,279.5) v1(177,275.3) v1(177,263.3) v1(177,247.5) v1(177,243.6) v1(177,239.4) v1(177,235.4) v1(177,231.4) ; v1(158.5,149.9) v1(158.5,153.8) v1(158.5,157.8) v1(158.5,169.8) v1(158.5,173.8) v1(158.5,181.7) 158.5,189.6 ; v1(158.5,231.4) v1(158.5,235.4) v1(158.5,239.4) v1(158.5,243.6) v1(158.5,247.5) v1(158.5,263.3) v1(158.5,275.3) v1(158.5,279.5) v1(158.5,281.53) v1(158.5,283.8) v1(158.5,287.5) v1(158.5,291.6) v1(158.5,295.7) v1(158.5,299.4) v1(158.5,303.6) v1(158.5,307.5) ; 139.5,189.6 v1(139.5,181.7) v1(139.5,173.8) v1(139.5,169.8) v1(139.5,157.8) v1(139.5,153.8) v1(139.5,149.9) ; v1(139.5,231.4) v1(139.5,235.4) v1(139.5,239.4) v1(139.5,243.6) v1(139.5,247.5) v1(139.5,263.3) v1(139.5,275.3) v1(139.5,279.5) v1(139.5,281.33) v1(139.5,283.8) v1(139.5,287.5) v1(139.5,291.6) v1(139.5,295.7) v1(139.5,299.4) v1(139.5,303.6) v1(139.5,307.5) ; 139.5,234.4 v1(139.5,226.6) v1(139.5,222.8) v1(139.5,218.8) v1(139.5,214.6) v1(139.5,210.8) v1(139.5,206.7) v1(139.5,202.5) v1(139.5,198.7) v1(139.5,194.9) v1(139.5,190.6) 139.5,186.6 ; v1(101.5,307.52) v1(101.5,303.62) v1(101.5,299.42) v1(101.5,295.72) v1(101.5,291.62) v1(101.5,287.52) v1(101.5,283.82) v1(101.5,281.43) v1(101.5,279.52) v1(101.5,275.32) v1(101.5,263.32) v1(101.5,247.52) v1(101.5,243.62) v1(101.5,239.42) v1(101.5,235.42) v1(101.5,231.42) ; 101.5,189.62 v1(101.5,153.82) v1(101.5,149.93) ; 101.5,234.42 v1(101.5,226.62) v1(101.5,222.82) v1(101.5,218.82) v1(101.5,214.62) v1(101.5,210.82) v1(101.5,206.72) v1(101.5,202.52) v1(101.5,198.72) v1(101.5,194.92) v1(101.5,190.62) 101.5,186.62 ; v1(215,149.9) v1(215,153.8) v1(215,157.8) v1(215,169.8) v1(215,173.8) v1(215,181.7) 215,189.6 ; v1(120.5,307.52) v1(120.5,303.62) v1(120.5,299.42) v1(120.5,295.72) v1(120.5,291.62) v1(120.5,287.52) v1(120.5,283.82) v1(120.5,281.53) v1(120.5,263.32) v1(120.5,247.52) v1(120.5,243.62) v1(120.5,239.42) v1(120.5,235.42) v1(120.5,231.42) ; 196,189.6 v1(196,181.7) v1(196,173.8) v1(196,169.8) v1(196,157.8) v1(196,153.8) v1(196,149.9) ; v1(196,231.4) v1(196,235.4) v1(196,239.4) v1(196,243.6) v1(196,247.5) v1(196,263.3) v1(196,275.3) v1(196,279.5) v1(196,281.43) v1(196,283.8) v1(196,287.5) v1(196,291.6) v1(196,295.7) v1(196,299.4) v1(196,303.6) v1(196,307.5) ; 158.5,234.4 v1(158.5,226.6) v1(158.5,222.8) v1(158.5,218.8) v1(158.5,214.6) v1(158.5,210.8) v1(158.5,206.7) v1(158.5,202.5) v1(158.5,198.7) v1(158.5,194.9) v1(158.5,190.6) 158.5,186.6 ; v1(215,231.4) v1(215,235.4) v1(215,239.4) v1(215,243.6) v1(215,247.5) v1(215,263.3) v1(215,275.3) v1(215,279.5) v1(215,281.53) v1(215,283.8) v1(215,287.5) v1(215,291.6) v1(215,295.7) v1(215,299.4) v1(215,303.6) v1(215,307.5) ; v1(120.5,190.62) v1(120.5,194.92) v1(120.5,198.72) v1(120.5,202.52) v1(120.5,206.72) v1(120.5,210.82) v1(120.5,214.62) v1(120.5,218.82) v1(120.5,222.82) v1(120.5,226.62) 120.5,234.42 ; v1(55.4,58.13) 55.4,41.03 56.9,39.53 v1(58.1,39.53) 59.5,40.93 v1(59.5,48.83) ; v1(69.38,100.33) 69.38,103.25 v1(69.3,103.33) v1(69.3,107.23) v1(69.3,117.63) v1(69.3,121.43) v1(69.3,125.53) v1(69.3,129.63) ; v1(81,39.73) 81.4,39.73 83.6,41.93 v1(83.6,45.93) ; v1(7.1,186.63) v1(7.1,190.63) v1(7.1,194.93) v1(7.1,198.73) v1(7.1,202.53) v1(7.1,206.73) v1(7.1,210.83) v1(7.1,214.63) v1(7.1,218.83) v1(7.1,222.83) v1(7.1,226.63) 7.1,234.43 ; v1(89.15,125.58) 88.95,125.38 v1(88.95,117.58) v1(88.95,113.73) ; 172.97,118.8 172.8,118.63 v1(171.9,118.63) ; 172.97,118.8 172.97,121.65 172,122.63 v1(171.9,122.63) ; 172.97,118.8 v1(172.97,112.88) ; v1(160.9,109.73) v1(160.9,112.73) 160.9,117.03 v1(161.5,117.63) ; v1(125.4,113.63) v1(125.4,117.63) v1(125.4,120.53) ; 164.87,124.7 v1(164.9,124.73) 165.4,125.23 v1(165.4,129.63) ; v1(7.1,231.43) v1(7.1,235.43) v1(7.1,239.43) v1(7.1,243.63) v1(7.1,247.53) v1(7.1,263.33) v1(7.1,275.33) v1(7.1,279.53) v1(7.1,283.83) v1(7.1,287.53) v1(7.1,291.63) v1(7.1,295.73) v1(7.1,299.43) v1(7.1,303.63) v1(7.1,307.53) ; v1(218.1,109.53) v1(218.1,113.63) ; v1(169.02,55.15) 169.02,60.91 ; v1(37.8,101.43) v1(37.8,105.53) 37.9,105.63 v1(37.9,109.53) v1(37.9,113.33) 38,113.43 v1(38,117.43) v1(38,121.33) v1(38,129.53) ; v1(106.3,40.33) 106.3,34.33 v1(107.9,32.73) ; DS1.1 158.75,55.3 v1(158.72,55.28) ; 7.1,189.63 v1(7.1,181.73) v1(7.1,177.83) v1(7.1,173.83) v1(7.1,169.83) v1(7.1,165.73) v1(7.1,161.83) v1(7.1,157.83) v1(7.1,153.83) v1(7.1,149.93) 6,148.83 v1(6,129.43) v1(6,121.43) v1(6,109.43) v1(6,102.13) ; v1(93.7,39.83) 93.65,39.88 93.65,57.98 v1(93.5,58.13) ; v1(178.1,23.83) 178.05,23.88 v1(174.19,23.88) ; v1(105.6,129.63) v1(105.6,127.13) v1(105.6,125.63) v1(105.6,100.3) ; v1(177.4,125.63) v1(177.4,129.63) ; v1(193.57,99.88) v1(193.57,112.05) v1(193.57,116.5) v1(193.57,121.55) v1(193.57,125.73) ; v1(138.4,100.3) v1(138.4,109.73) v1(138.4,121.63) v1(138.4,125.63) v1(138.4,129.63) ; v1(186.5,23.83) v1(189.8,23.83) ; v1(162.45,23.93) 165.94,23.93 v1(165.99,23.88) ; v1(198.2,23.83) v1(202.2,23.83) ; v1(210.1,23.83) v1(216.5,23.83) ; v1(196.82,55.33) 196.82,61
  Bottom w0.75: 229.51,87.69 J1.4 ; J1.5 J1.5 ; v1(7.1,307.53) 10.08,310.5 23.19,310.5 v1(26.17,307.53) 29.14,310.5 41.94,310.5 v1(44.95,307.5) 47.93,310.47 61.02,310.47 v1(63.97,307.52) 66.95,310.5 79.5,310.5 v1(82.47,307.52) 85.45,310.5 98.52,310.5 v1(101.5,307.52) 104.48,310.5 117.52,310.5 v1(120.5,307.52) 123.48,310.5 136.5,310.5 v1(139.5,307.5) 142.48,310.47 155.52,310.47 v1(158.5,307.5) 161.48,310.47 174.02,310.47 v1(177,307.5) 179.98,310.47 193.02,310.47 v1(196,307.5) 198.98,310.47 212.02,310.47 v1(215,307.5)
  vias: v1(32.05,29.03) v1(100.35,29.03) v1(223.7,149.93)
